# Altium PCB Pleiades_PP.PcbDoc (part 1 of 15)
Units mil, origin at the board's own origin, x right, y up, seen from the top; angles counter-clockwise.
Board outline 12244.09 x 4515.28 mil, 12 copper layers (TOP, GND1, IN1, GND2, POW1, GND3, POW2, GND4, GND5, IN2, GND6, BOT), stack 63.546 mil thick; 1447 components, 738 nets, 4532 pads, 3316 vias.
Unrouted connection lines stored in the file: 499.
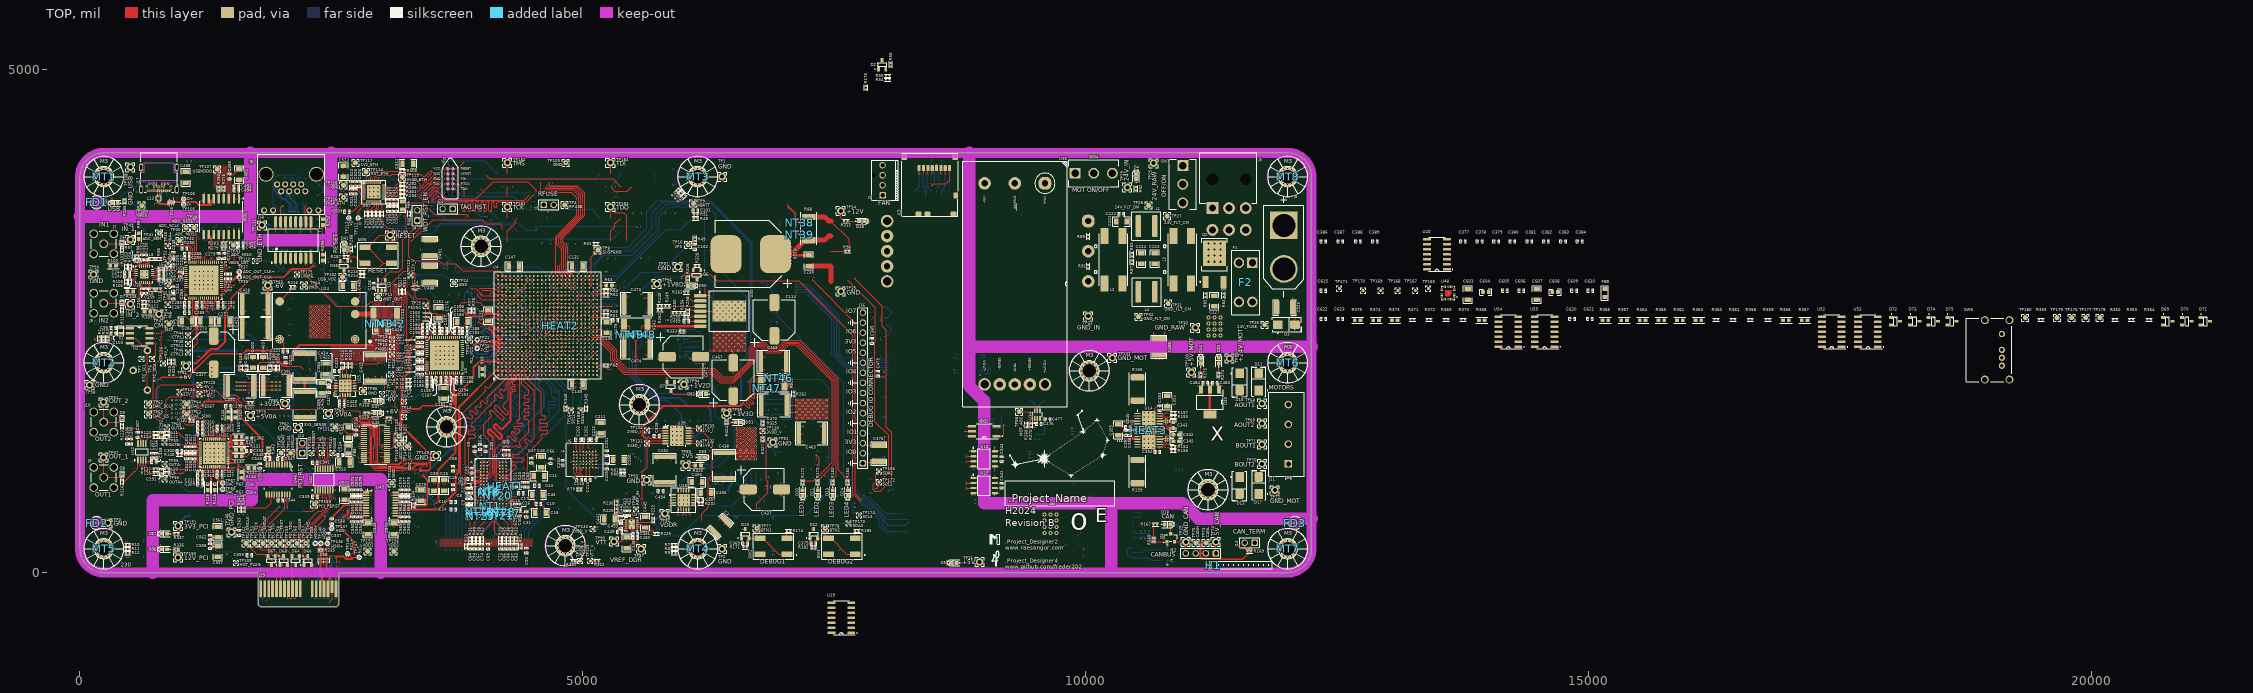
[diagram p0: TOP view]
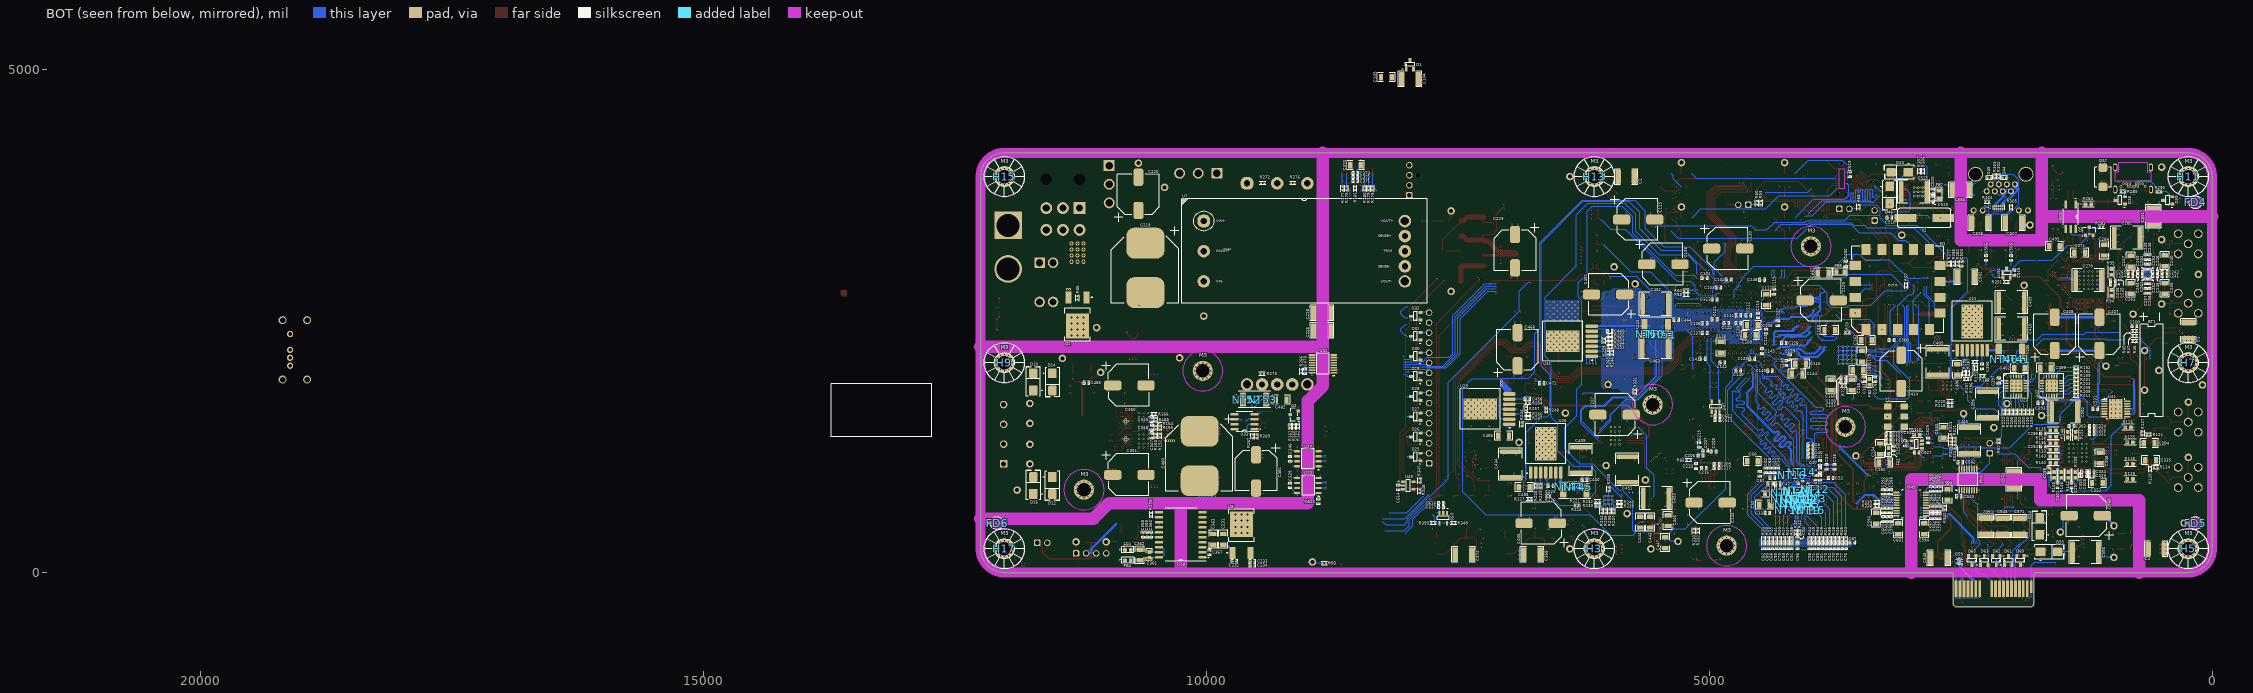
[diagram p1: BOT view, seen from below]
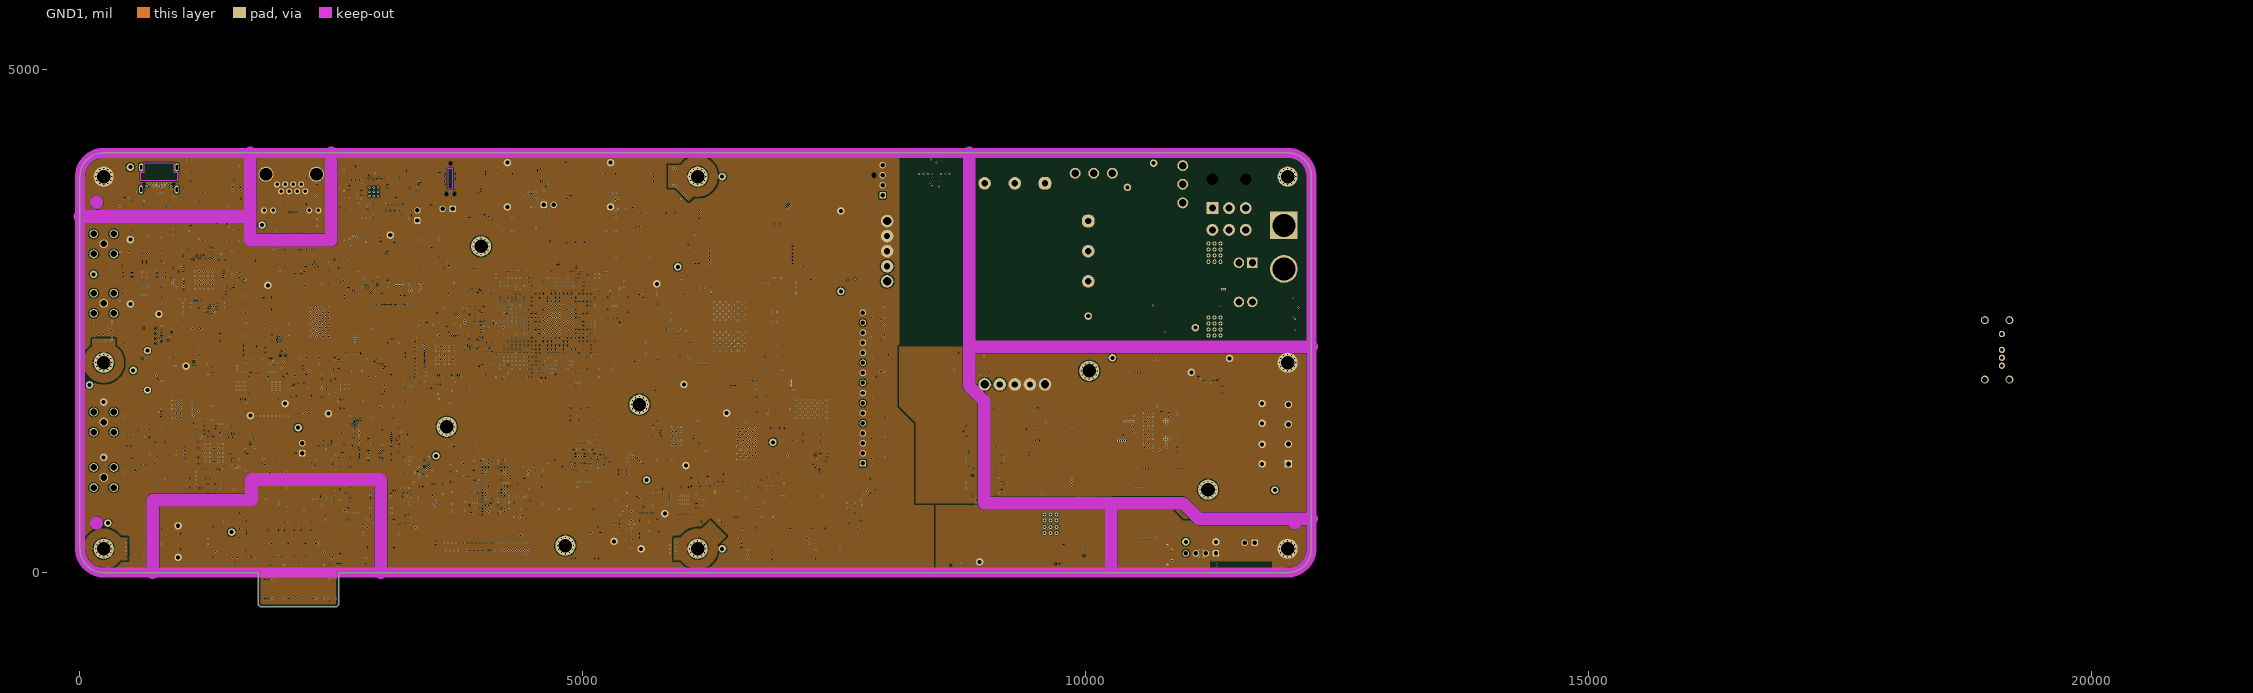
[diagram p2: GND1]
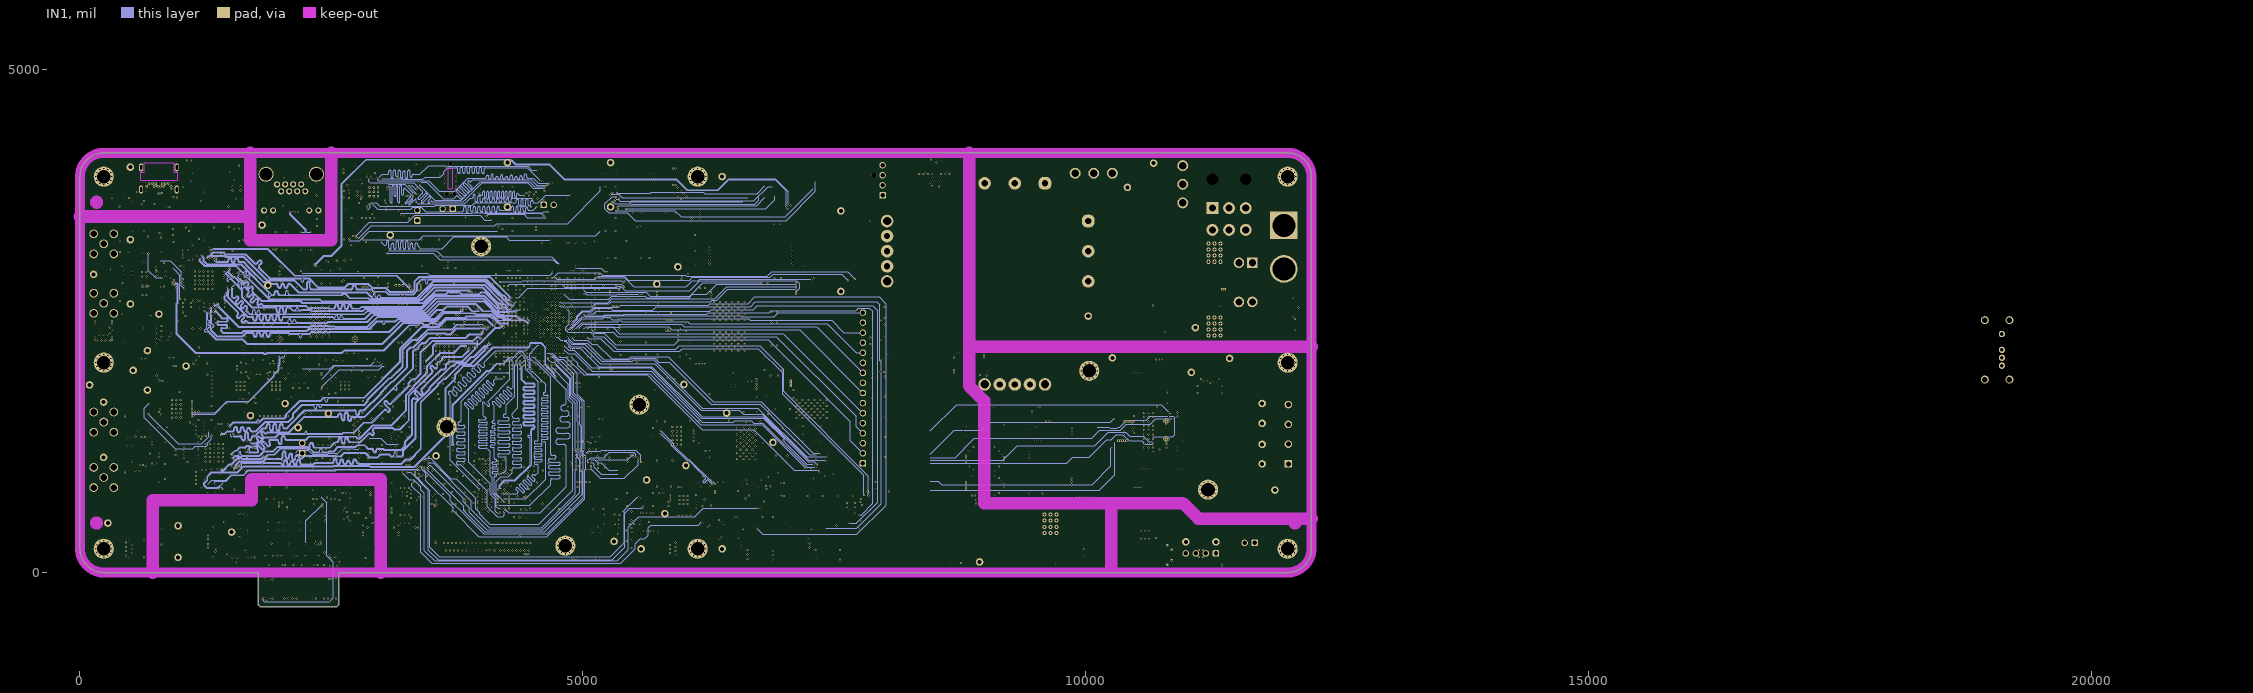
[diagram p3: IN1]
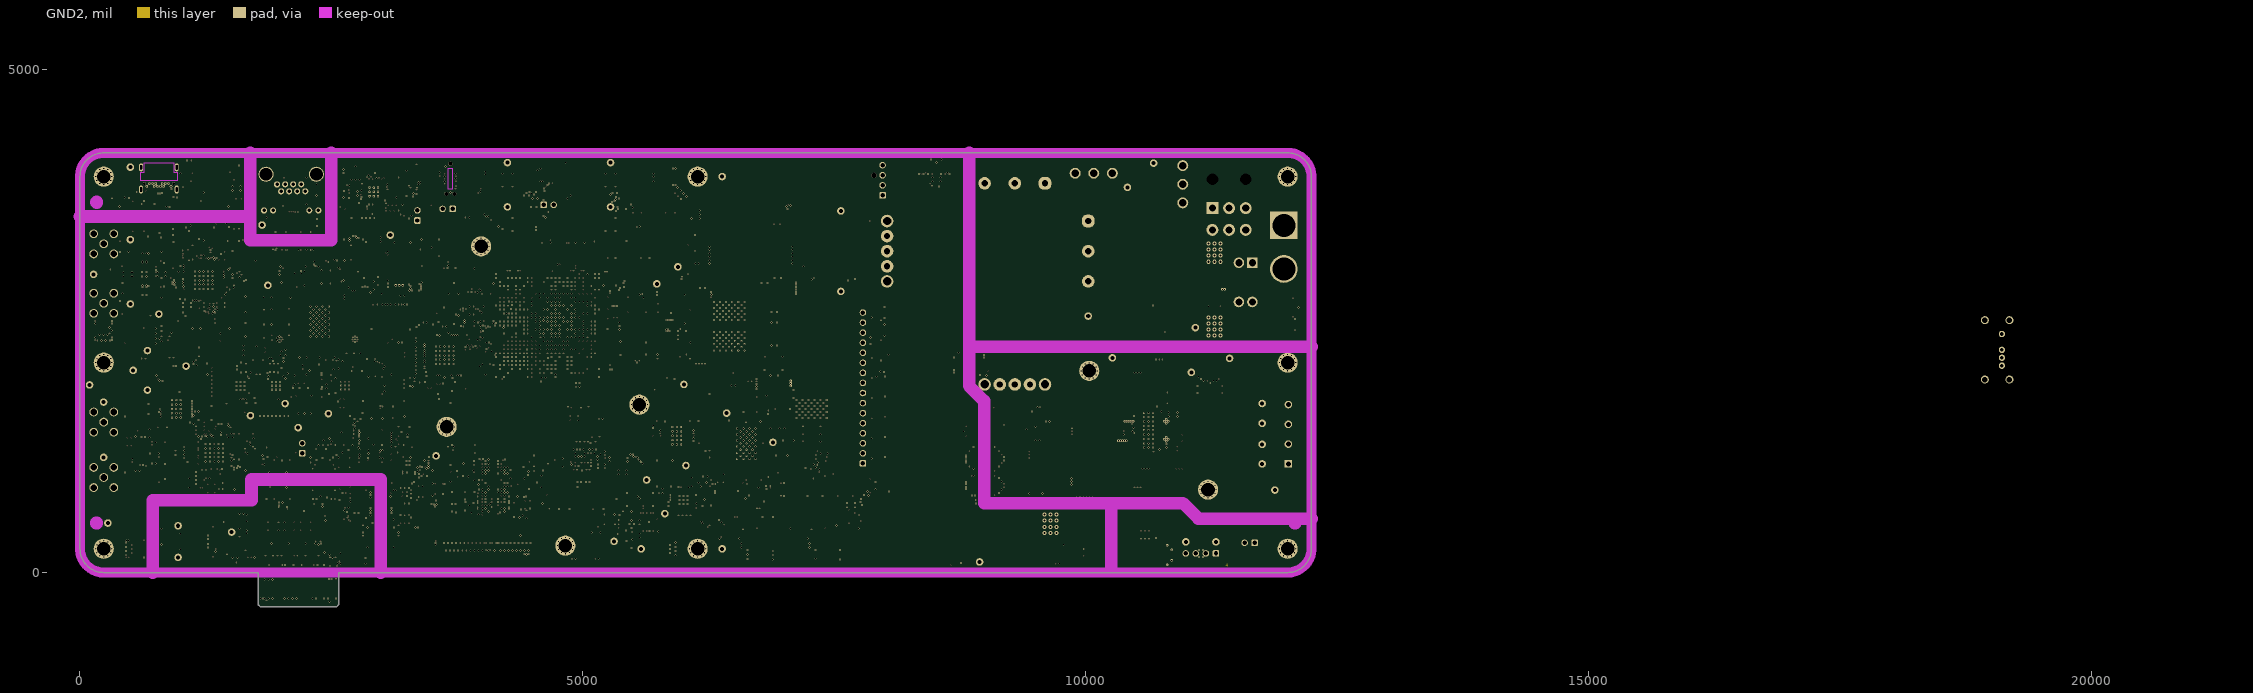
[diagram p4: GND2]
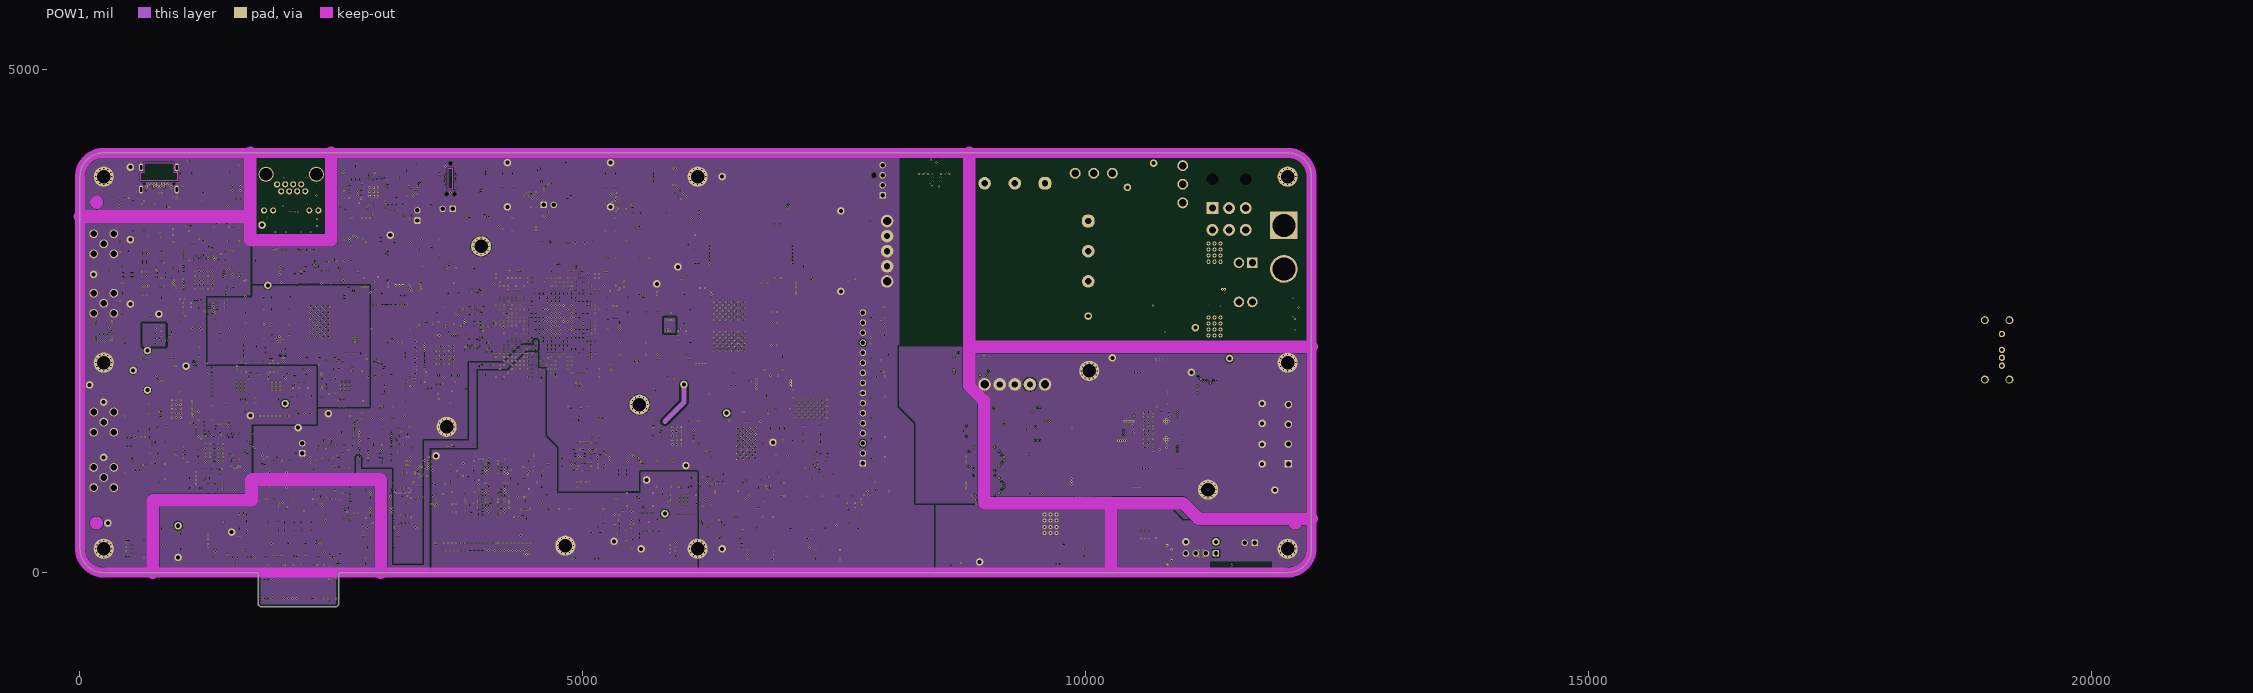
[diagram p5: POW1]
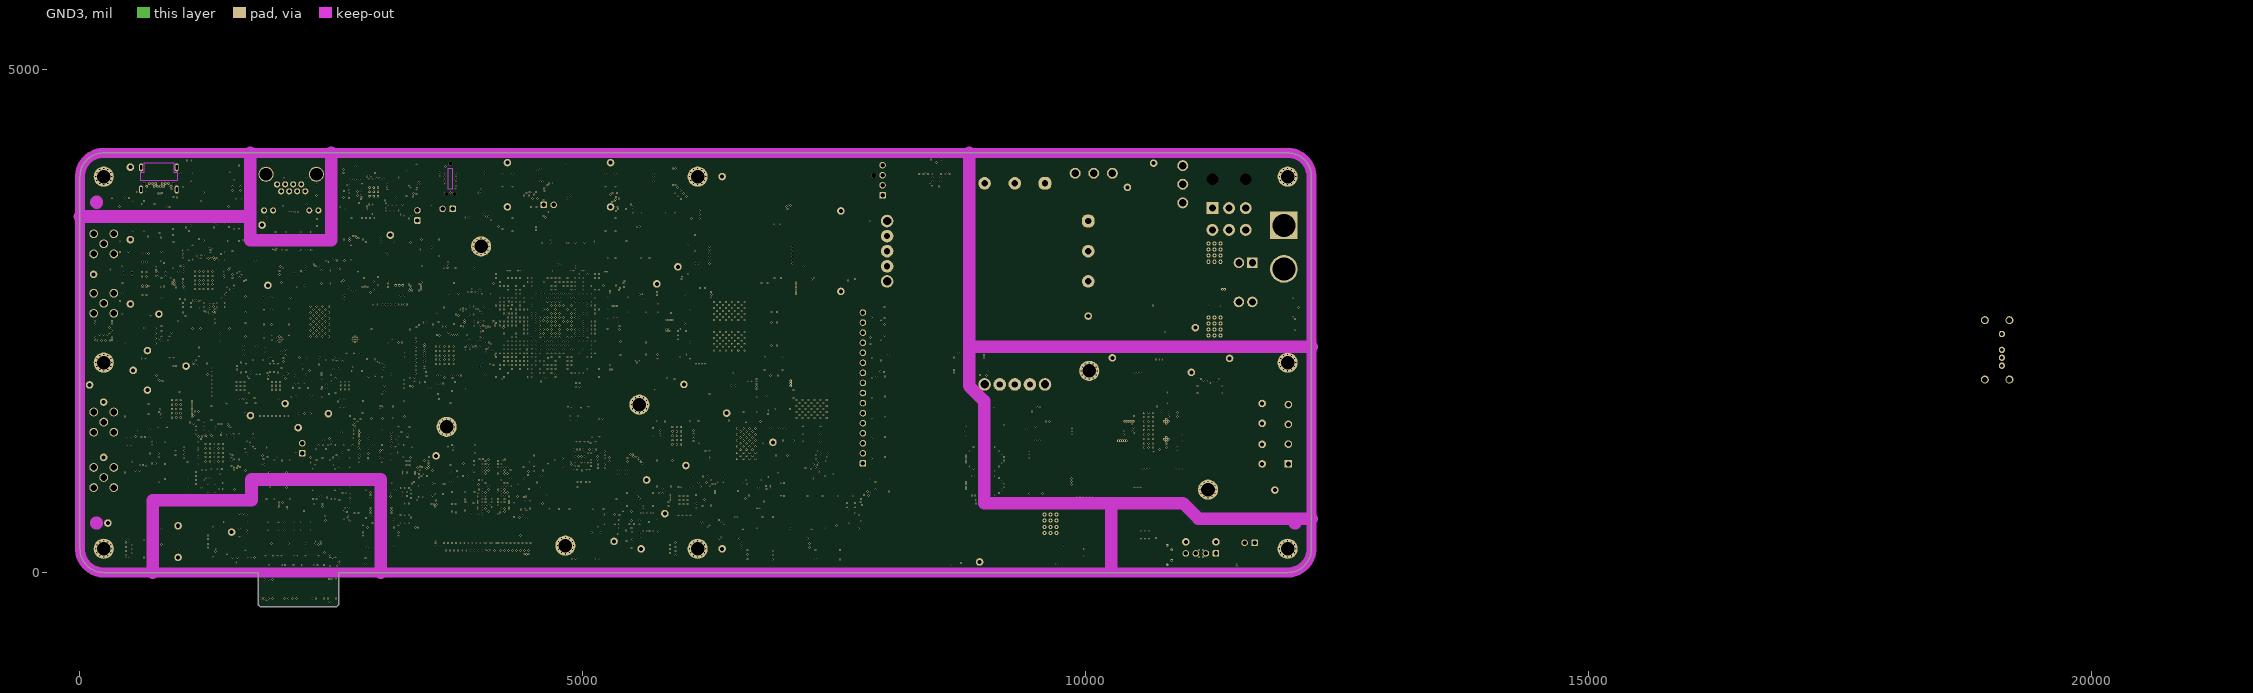
[diagram p6: GND3]
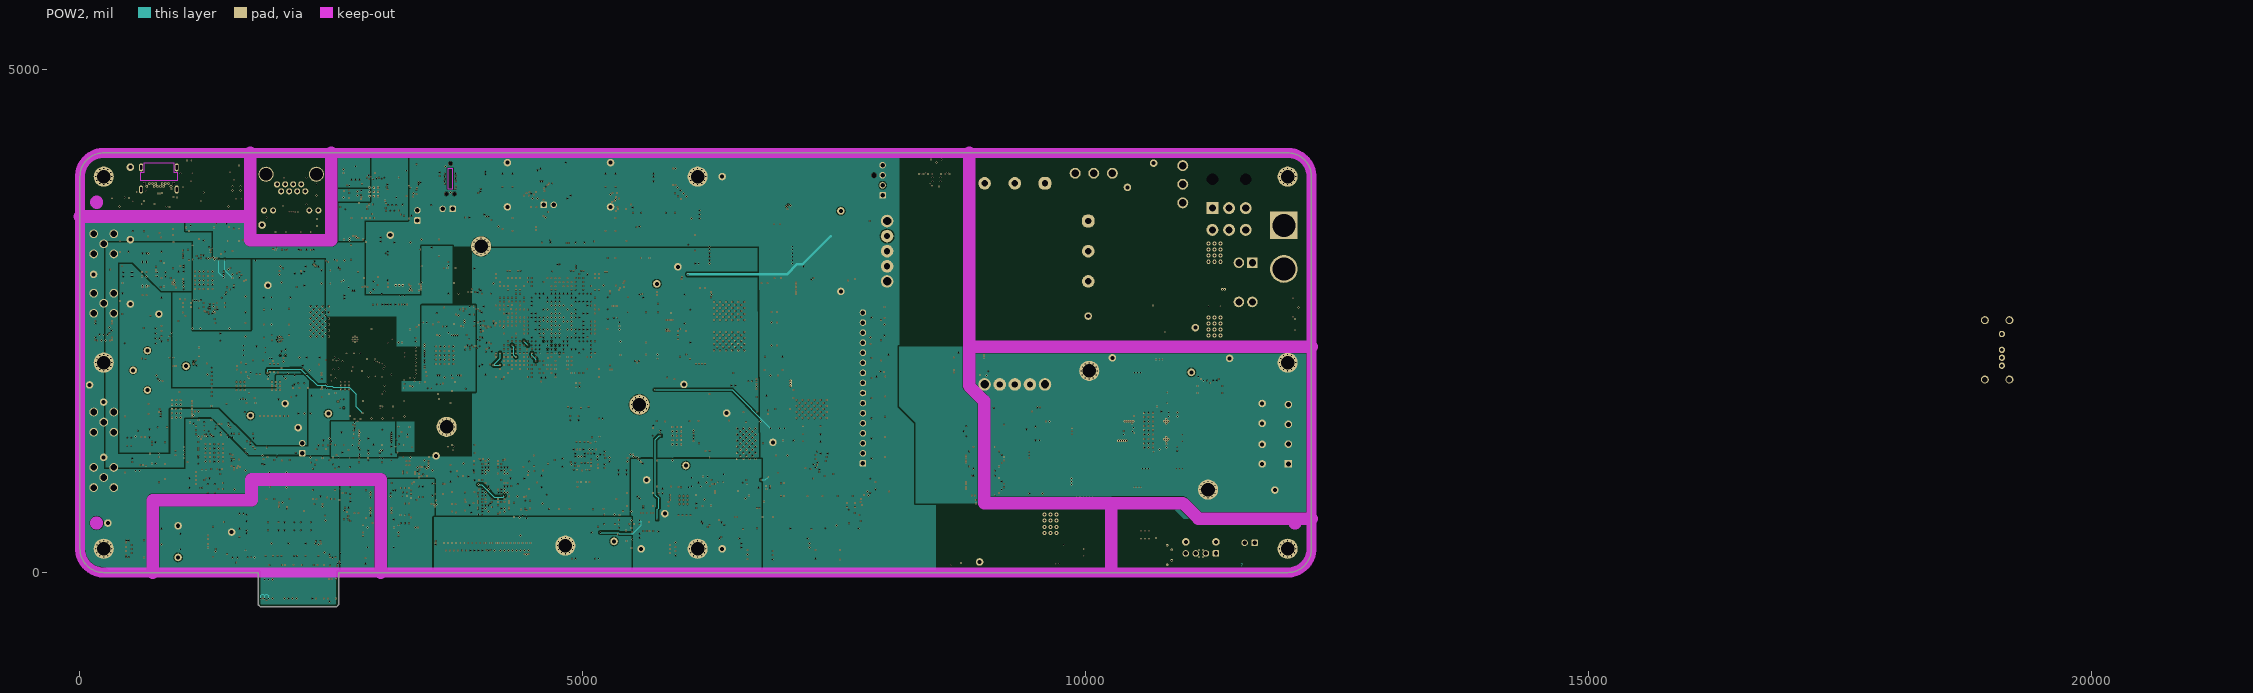
[diagram p7: POW2]
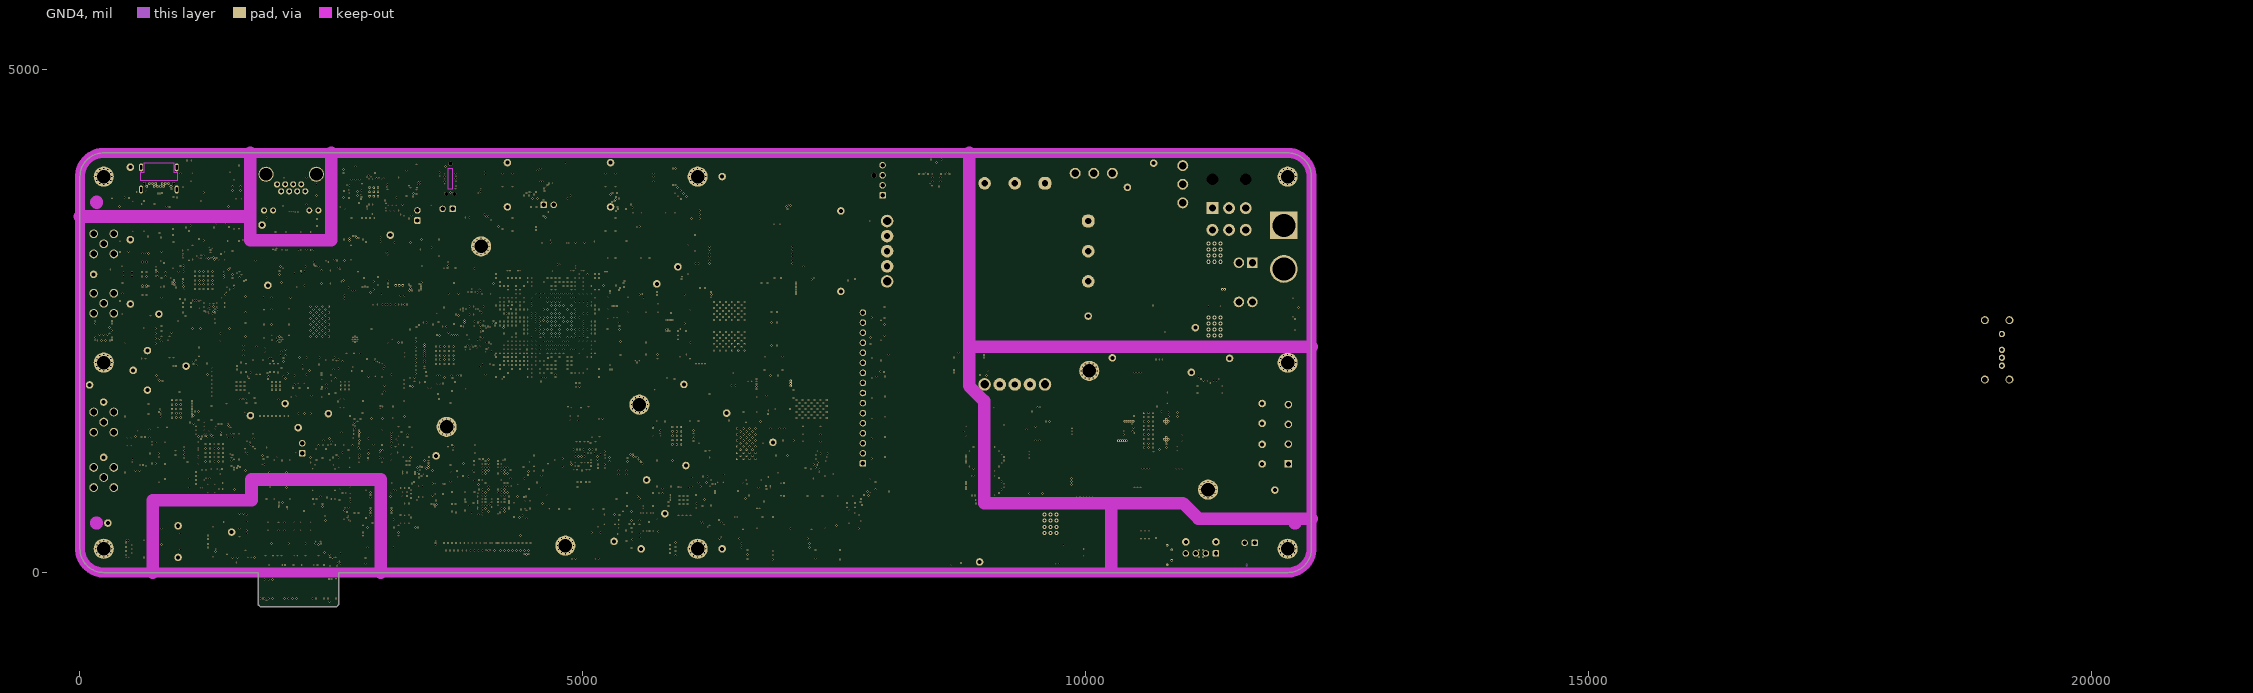
[diagram p8: GND4]